# Altium PCB Board.PcbDoc (part 8 of 15) (continued)
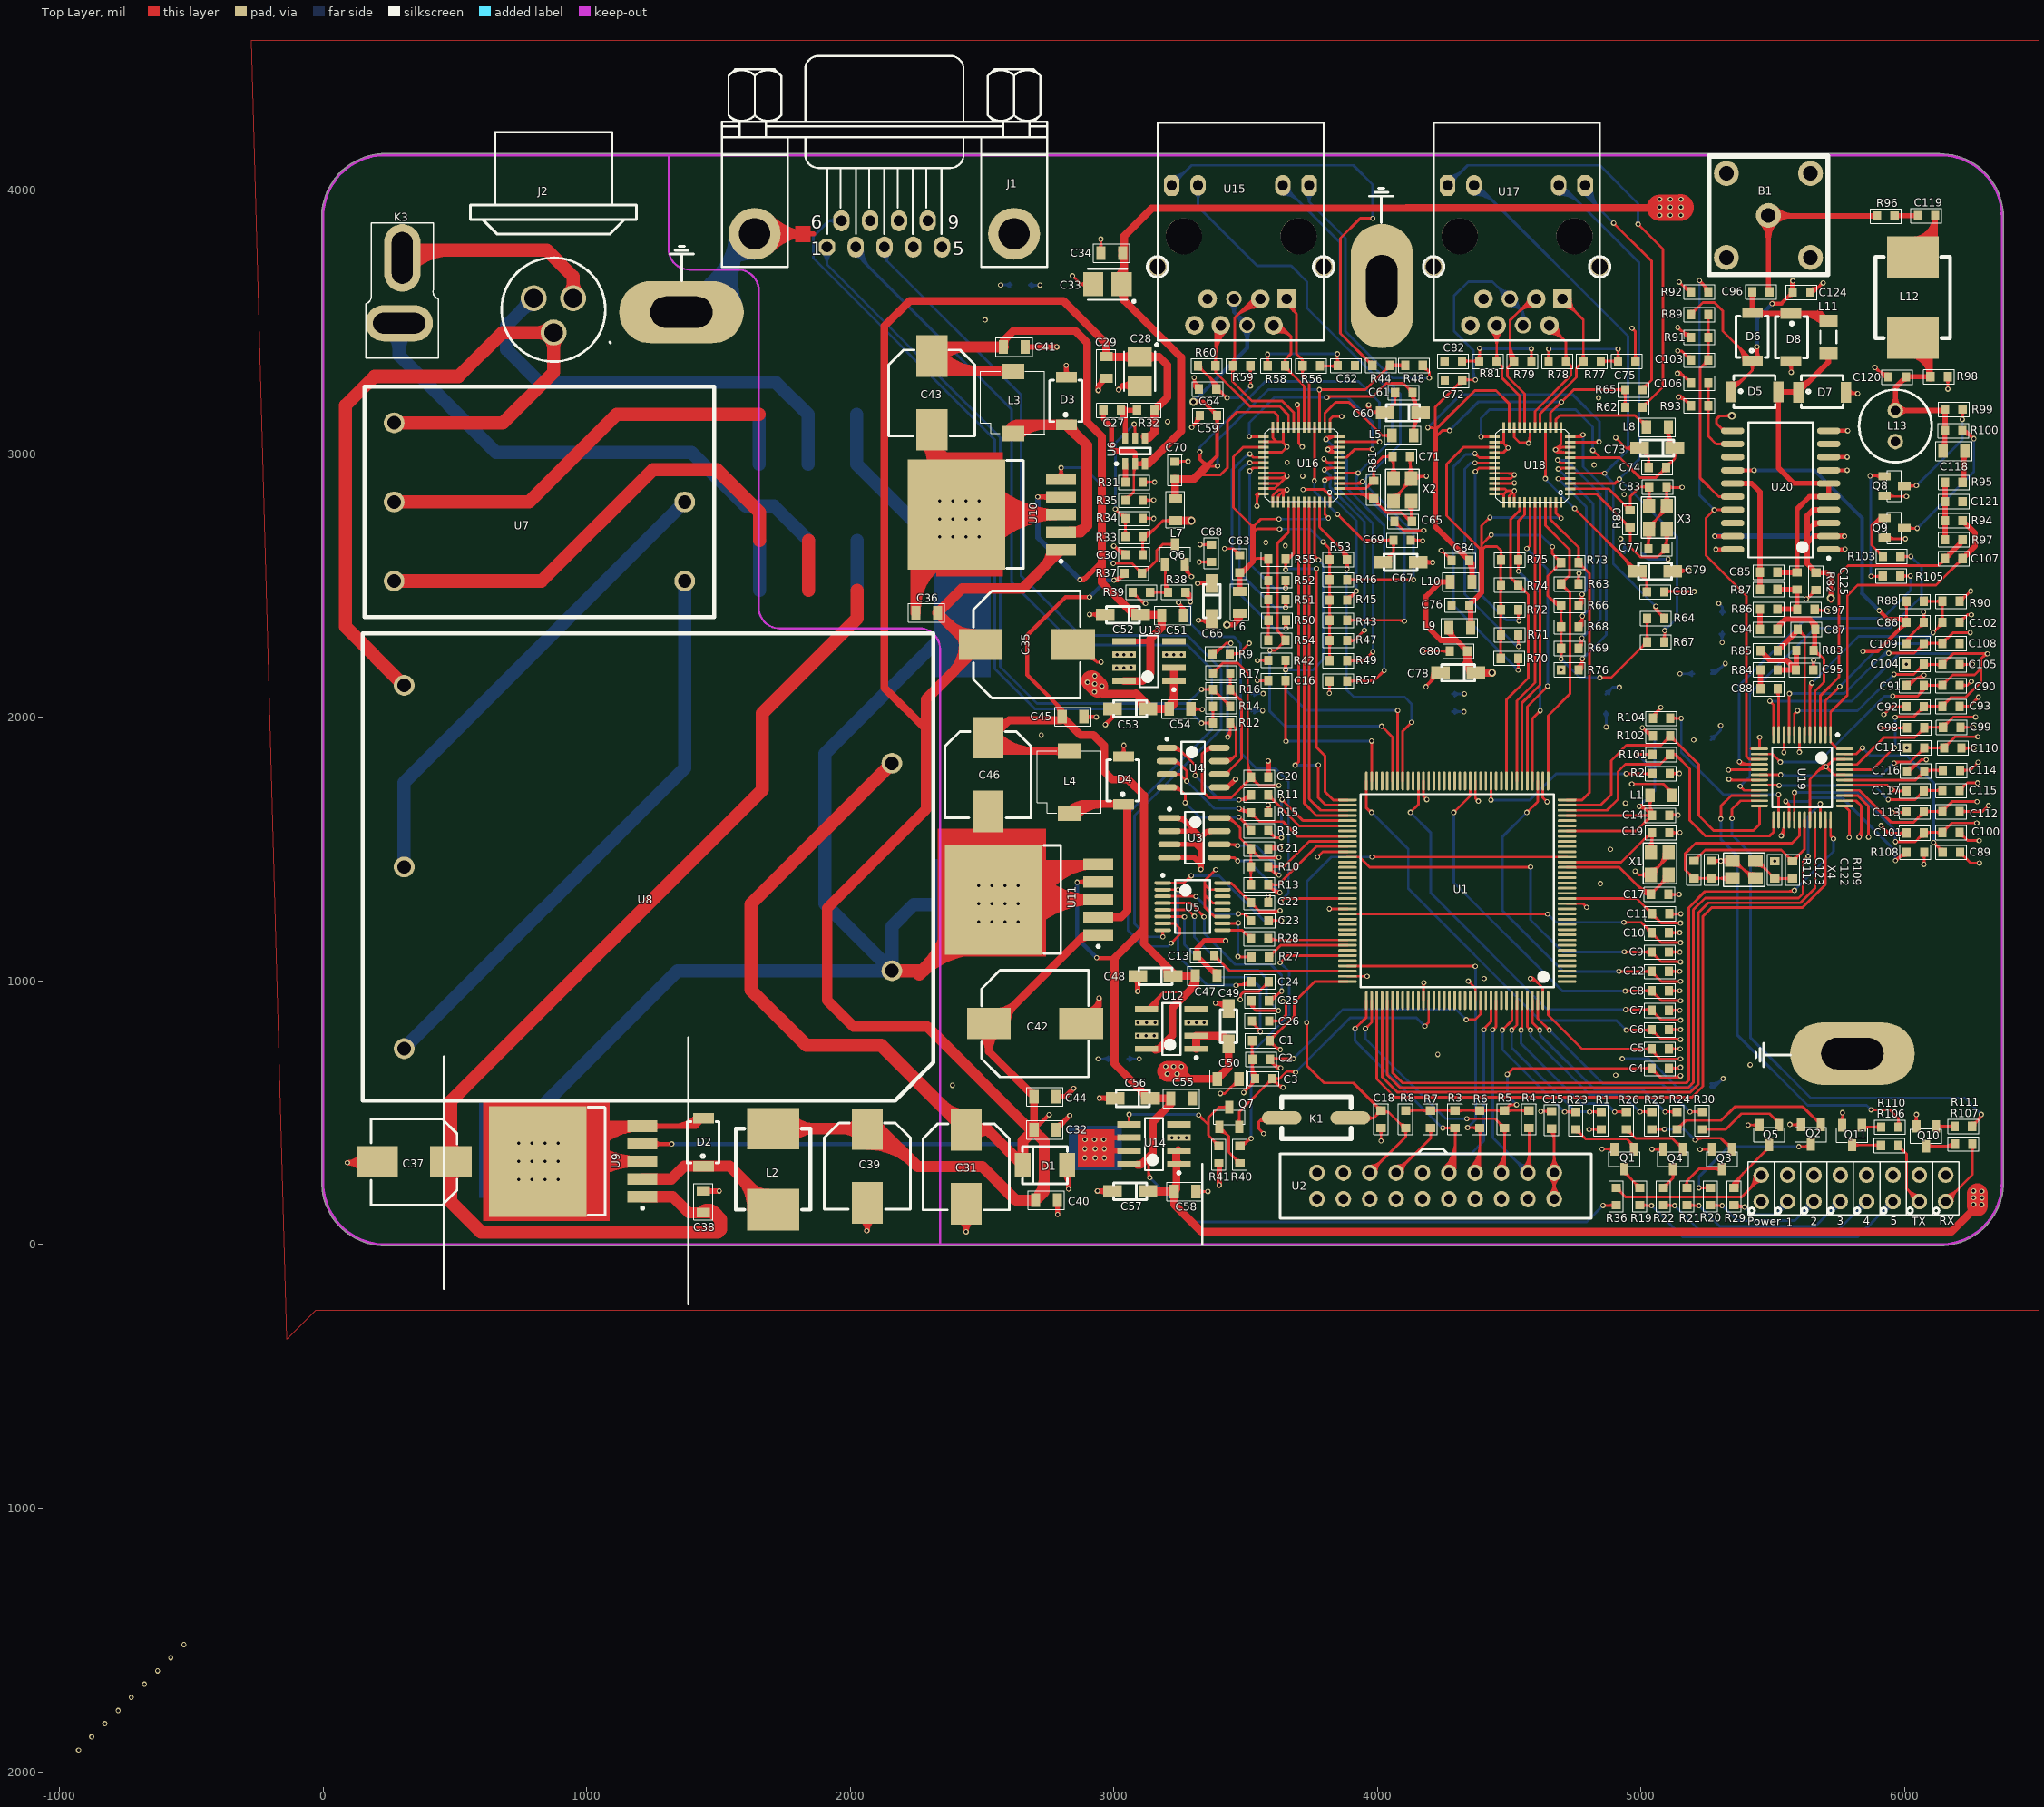
[diagram p0: Top Layer view]
## Nets (pads, with @x,y where several pads share a name; then routed paths per layer and width w, separated by ;. In a path a pad name is that pad's centre, name@x,y a point inside that pad or via, vN(x,y) a via of type N, cw(c..) or ccw(c..) an arc to the next point about the centre after c; other vN are vias at no path point) (continued)
  Bottom Layer w10: v1(5307.6,147.45) 5363.6,91.45 5583.6,91.45 2.2@5655.6,163.45 ; v1@5307.6,142.45 cw(c5307.6,130.38) 5316.13,138.91 ; v1@5307.6,142.45 cw(c5307.6,130.38) 5316.13,138.91 ; v1@5307.6,142.45 cw(c5307.6,130.38) 5316.13,138.91 ; v1@5312.6,147.45 ccw(c5324.67,147.45) 5316.13,138.91 ; v1@5312.6,147.45 ccw(c5324.67,147.45) 5316.13,138.91 ; v1@5312.6,147.45 ccw(c5324.67,147.45) 5316.13,138.91 ; 5613.73,121.58 cw(c5655.6,79.71) 2.2@5655.6,138.92 ; 5613.73,121.58 ccw(c5571.86,163.45) 2.2@5631.07,163.45 ; 5613.73,121.58 cw(c5655.6,79.71) 2.2@5655.6,138.92 ; 5613.73,121.58 ccw(c5571.86,163.45) 2.2@5631.07,163.45 ; 5613.73,121.58 ccw(c5571.86,163.45) 2.2@5631.07,163.45 ; 5613.73,121.58 cw(c5655.6,79.71) 2.2@5655.6,138.92 ; 5630.8,138.65 cw(c5655.6,113.85) 2.2@5655.6,148.92 ; 5630.8,138.65 ccw(c5606,163.45) 2.2@5641.07,163.45 ; 5630.8,138.65 cw(c5655.6,113.85) 2.2@5655.6,148.92 ; 5630.8,138.65 ccw(c5606,163.45) 2.2@5641.07,163.45 ; 5630.8,138.65 ccw(c5606,163.45) 2.2@5641.07,163.45 ; 5630.8,138.65 cw(c5655.6,113.85) 2.2@5655.6,148.92
NetLED3_2: 3.2 R21.2 | length 1334.2
  Top Layer w10: R21.2@5173.8,149.45 5175.8,147.45 v1(5219.6,147.45) ; R21.2@5183.37,141.85 cw(c5196.89,128.33) 5196.89,147.45 ; R21.2@5183.37,141.85 cw(c5196.89,128.33) 5196.89,147.45 ; R21.2@5183.37,141.85 cw(c5196.89,128.33) 5196.89,147.45 ; R21.2@5183.37,157.05 ccw(c5206.54,180.23) 5206.54,147.45 ; R21.2@5183.37,157.05 ccw(c5206.54,180.23) 5206.54,147.45 ; R21.2@5183.37,157.05 ccw(c5206.54,180.23) 5206.54,147.45 ; 5207.53,147.45 cw(c5207.53,135.38) v1@5216.06,143.91 ; 5207.53,147.45 ccw(c5207.53,159.52) v1@5216.06,150.98 ; 5207.53,147.45 cw(c5207.53,135.38) v1@5216.06,143.91 ; 5207.53,147.45 ccw(c5207.53,159.52) v1@5216.06,150.98 ; 5207.53,147.45 ccw(c5207.53,159.52) v1@5216.06,150.98 ; 5207.53,147.45 cw(c5207.53,135.38) v1@5216.06,143.91
  Bottom Layer w10: v1(5219.6,147.45) 5297.6,69.45 5661.6,69.45 3.2@5755.6,163.45 ; v1@5219.6,142.45 cw(c5219.6,130.38) 5228.13,138.91 ; v1@5219.6,142.45 cw(c5219.6,130.38) 5228.13,138.91 ; v1@5219.6,142.45 cw(c5219.6,130.38) 5228.13,138.91 ; v1@5224.6,147.45 ccw(c5236.67,147.45) 5228.13,138.91 ; v1@5224.6,147.45 ccw(c5236.67,147.45) 5228.13,138.91 ; v1@5224.6,147.45 ccw(c5236.67,147.45) 5228.13,138.91 ; 5713.73,121.58 cw(c5755.6,79.71) 3.2@5755.6,138.92 ; 5713.73,121.58 ccw(c5671.86,163.45) 3.2@5731.07,163.45 ; 5713.73,121.58 cw(c5755.6,79.71) 3.2@5755.6,138.92 ; 5713.73,121.58 ccw(c5671.86,163.45) 3.2@5731.07,163.45 ; 5713.73,121.58 ccw(c5671.86,163.45) 3.2@5731.07,163.45 ; 5713.73,121.58 cw(c5755.6,79.71) 3.2@5755.6,138.92 ; 5730.8,138.65 cw(c5755.6,113.85) 3.2@5755.6,148.92 ; 5730.8,138.65 ccw(c5706,163.45) 3.2@5741.07,163.45 ; 5730.8,138.65 cw(c5755.6,113.85) 3.2@5755.6,148.92 ; 5730.8,138.65 ccw(c5706,163.45) 3.2@5741.07,163.45 ; 5730.8,138.65 ccw(c5706,163.45) 3.2@5741.07,163.45 ; 5730.8,138.65 cw(c5755.6,113.85) 3.2@5755.6,148.92
NetLED4_2: 4.2 R22.2 | length 1540.2
  Top Layer w10: R22.2@5084.4,149.45 5086.4,147.45 v1(5127.6,147.45) ; R22.2@5093.97,141.85 cw(c5107.49,128.33) 5107.49,147.45 ; R22.2@5093.97,141.85 cw(c5107.49,128.33) 5107.49,147.45 ; R22.2@5093.97,141.85 cw(c5107.49,128.33) 5107.49,147.45 ; R22.2@5093.97,157.05 ccw(c5117.14,180.23) 5117.14,147.45 ; R22.2@5093.97,157.05 ccw(c5117.14,180.23) 5117.14,147.45 ; R22.2@5093.97,157.05 ccw(c5117.14,180.23) 5117.14,147.45 ; 5115.53,147.45 cw(c5115.53,135.38) v1@5124.06,143.91 ; 5115.53,147.45 ccw(c5115.53,159.52) v1@5124.06,150.98 ; 5115.53,147.45 cw(c5115.53,135.38) v1@5124.06,143.91 ; 5115.53,147.45 ccw(c5115.53,159.52) v1@5124.06,150.98 ; 5115.53,147.45 ccw(c5115.53,159.52) v1@5124.06,150.98 ; 5115.53,147.45 cw(c5115.53,135.38) v1@5124.06,143.91
  Bottom Layer w10: v1(5127.6,147.45) 5225.6,49.45 5741.6,49.45 4.2@5855.6,163.45 ; v1@5127.6,142.45 cw(c5127.6,130.38) 5136.13,138.91 ; v1@5127.6,142.45 cw(c5127.6,130.38) 5136.13,138.91 ; v1@5127.6,142.45 cw(c5127.6,130.38) 5136.13,138.91 ; v1@5132.6,147.45 ccw(c5144.67,147.45) 5136.13,138.91 ; v1@5132.6,147.45 ccw(c5144.67,147.45) 5136.13,138.91 ; v1@5132.6,147.45 ccw(c5144.67,147.45) 5136.13,138.91 ; 5813.73,121.58 cw(c5855.6,79.71) 4.2@5855.6,138.92 ; 5813.73,121.58 ccw(c5771.86,163.45) 4.2@5831.07,163.45 ; 5813.73,121.58 cw(c5855.6,79.71) 4.2@5855.6,138.92 ; 5813.73,121.58 ccw(c5771.86,163.45) 4.2@5831.07,163.45 ; 5813.73,121.58 ccw(c5771.86,163.45) 4.2@5831.07,163.45 ; 5813.73,121.58 cw(c5855.6,79.71) 4.2@5855.6,138.92 ; 5830.8,138.65 cw(c5855.6,113.85) 4.2@5855.6,148.92 ; 5830.8,138.65 ccw(c5806,163.45) 4.2@5841.07,163.45 ; 5830.8,138.65 cw(c5855.6,113.85) 4.2@5855.6,148.92 ; 5830.8,138.65 ccw(c5806,163.45) 4.2@5841.07,163.45 ; 5830.8,138.65 ccw(c5806,163.45) 4.2@5841.07,163.45 ; 5830.8,138.65 cw(c5855.6,113.85) 4.2@5855.6,148.92
NetLED5_2: 1.2 R29.2 | length 883.9
  Top Layer w10: R29.2@5352.6,149.45 5359.6,142.45 v1(5392.6,142.45) ; v1@5388.27,139.95 ccw(c5377.82,133.91) 5380.94,145.57 ccw(c5384.06,157.23) v1@5390.1,146.78 ; R29.2@5355.14,149.93 ccw(c5371.17,163.36) 5371.17,142.45 ; R29.2@5355.14,149.93 ccw(c5371.17,163.36) 5371.17,142.45 ; R29.2@5355.14,149.93 ccw(c5371.17,163.36) 5371.17,142.45 ; R29.2@5362.8,156.35 ccw(c5392.6,181.32) v1(5392.6,142.45) ; R29.2@5362.8,156.35 ccw(c5392.6,181.32) v1(5392.6,142.45) ; R29.2@5362.8,156.35 ccw(c5392.6,181.32) v1(5392.6,142.45) ; 5380.53,142.45 cw(c5380.53,130.38) v1@5389.06,138.91 ; 5380.53,142.45 ccw(c5380.53,154.52) v1@5389.06,145.98 ; 5380.53,142.45 cw(c5380.53,130.38) v1@5389.06,138.91 ; 5380.53,142.45 ccw(c5380.53,154.52) v1@5389.06,145.98 ; 5380.53,142.45 ccw(c5380.53,154.52) v1@5389.06,145.98 ; 5380.53,142.45 cw(c5380.53,130.38) v1@5389.06,138.91
  Bottom Layer w10: v1(5392.6,142.45) 5421.6,113.45 5512.6,113.45 ; 5528.38,129.23 ccw(c5497.49,160.11) 1.2@5541.09,162.61 ; 1.2@5531.11,162.04 cw(c5467.66,158.39) 5512.6,113.45 ; 1.2@5555.6,163.45 5555.6,156.45 5512.6,113.45 ; v1@5392.6,137.45 cw(c5392.6,125.38) 5401.13,133.91 ; v1@5392.6,137.45 cw(c5392.6,125.38) 5401.13,133.91 ; v1@5392.6,137.45 cw(c5392.6,125.38) 5401.13,133.91 ; v1@5397.6,142.45 ccw(c5409.67,142.45) 5401.13,133.91 ; v1@5397.6,142.45 ccw(c5409.67,142.45) 5401.13,133.91 ; v1@5397.6,142.45 ccw(c5409.67,142.45) 5401.13,133.91 ; 5525.68,126.53 cw(c5555.6,96.61) 1.2@5555.6,138.92 ; 5525.68,126.53 cw(c5555.6,96.61) 1.2@5555.6,138.92 ; 5525.68,126.53 cw(c5555.6,96.61) 1.2@5555.6,138.92 ; 5516.1,116.95 ccw(c5478.67,154.38) 5531.24,160.58 cw(c5478.67,154.38) 5516.1,116.95 ; 5530.69,131.54 ccw(c5504.77,157.46) 5541.17,161.75 cw(c5504.77,157.46) 5530.69,131.54
NetLED6_1: Power.1 R36.1 | length 1139.5
  Top Layer w10: R36.1@4905.6,215.45 4940.85,180.2 5381.35,180.2 5455.6,254.45 Power.1@5455.6,263.45 ; R36.1@4907.57,204.7 cw(c4907.57,183.51) 4922.55,198.49 ; R36.1@4907.57,204.7 cw(c4907.57,183.51) 4922.55,198.49 ; R36.1@4907.57,204.7 cw(c4907.57,183.51) 4922.55,198.49 ; R36.1@4918.31,215.45 ccw(c4949.02,215.45) 4927.31,193.74 ; R36.1@4918.31,215.45 ccw(c4949.02,215.45) 4927.31,193.74 ; R36.1@4918.31,215.45 ccw(c4949.02,215.45) 4927.31,193.74 ; 5407.36,206.21 ccw(c5350.13,263.45) Power.1@5431.07,263.45 ; 5407.36,206.21 ccw(c5350.13,263.45) Power.1@5431.07,263.45 ; 5407.36,206.21 ccw(c5350.13,263.45) Power.1@5431.07,263.45 ; 5424.43,223.28 ccw(c5384.27,263.45) Power.1@5441.07,263.45 ; 5424.43,223.28 ccw(c5384.27,263.45) Power.1@5441.07,263.45 ; 5424.43,223.28 ccw(c5384.27,263.45) Power.1@5441.07,263.45 ; 5429.09,227.94 cw(c5455.6,201.43) Power.1@5455.6,238.92 ; 5429.09,227.94 cw(c5455.6,201.43) Power.1@5455.6,238.92 ; 5429.09,227.94 cw(c5455.6,201.43) Power.1@5455.6,238.92
NetLED7_2: R106.2 TX.2 | length 811.7
  Top Layer w10: R106.2@5975.6,375.45 6006.6,344.45 6006.6,212.45 TX.2@6055.6,163.45 ; R106.2@5975.6,362.73 cw(c5975.6,332.03) 5997.31,353.74 ; R106.2@5975.6,362.73 cw(c5975.6,332.03) 5997.31,353.74 ; R106.2@5975.6,362.73 cw(c5975.6,332.03) 5997.31,353.74 ; R106.2@5986.35,373.48 ccw(c6007.54,373.48) 5992.55,358.49 ; R106.2@5986.35,373.48 ccw(c6007.54,373.48) 5992.55,358.49 ; R106.2@5986.35,373.48 ccw(c6007.54,373.48) 5992.55,358.49 ; 6013.73,205.32 cw(c5971.86,163.45) TX.2@6031.07,163.45 ; 6013.73,205.32 ccw(c6055.6,247.19) TX.2@6055.6,187.98 ; 6013.73,205.32 cw(c5971.86,163.45) TX.2@6031.07,163.45 ; 6013.73,205.32 ccw(c6055.6,247.19) TX.2@6055.6,187.98 ; 6013.73,205.32 ccw(c6055.6,247.19) TX.2@6055.6,187.98 ; 6013.73,205.32 cw(c5971.86,163.45) TX.2@6031.07,163.45 ; 6030.8,188.25 cw(c6006,163.45) TX.2@6041.07,163.45 ; 6030.8,188.25 ccw(c6055.6,213.05) TX.2@6055.6,177.98 ; 6030.8,188.25 cw(c6006,163.45) TX.2@6041.07,163.45 ; 6030.8,188.25 ccw(c6055.6,213.05) TX.2@6055.6,177.98 ; 6030.8,188.25 ccw(c6055.6,213.05) TX.2@6055.6,177.98 ; 6030.8,188.25 cw(c6006,163.45) TX.2@6041.07,163.45
NetLED8_2: R107.2 RX.2 | length 826.4
  Top Layer w10: RX.2@6155.6,163.45 6256.6,264.45 R107.2@6256.6,381.45 ; RX.2@6155.6,177.98 ccw(c6155.6,213.05) 6180.4,188.25 ; RX.2@6155.6,177.98 ccw(c6155.6,213.05) 6180.4,188.25 ; RX.2@6155.6,177.98 ccw(c6155.6,213.05) 6180.4,188.25 ; RX.2@6155.6,187.98 ccw(c6155.6,247.19) 6197.47,205.32 ; RX.2@6155.6,187.98 ccw(c6155.6,247.19) 6197.47,205.32 ; RX.2@6155.6,187.98 ccw(c6155.6,247.19) 6197.47,205.32 ; RX.2@6170.13,163.45 cw(c6205.2,163.45) 6180.4,188.25 ; RX.2@6170.13,163.45 cw(c6205.2,163.45) 6180.4,188.25 ; RX.2@6170.13,163.45 cw(c6205.2,163.45) 6180.4,188.25 ; RX.2@6180.13,163.45 cw(c6239.34,163.45) 6197.47,205.32 ; RX.2@6180.13,163.45 cw(c6239.34,163.45) 6197.47,205.32 ; RX.2@6180.13,163.45 cw(c6239.34,163.45) 6197.47,205.32 ; R107.2@6249,371.88 cw(c6230.65,353.53) 6256.6,353.53 ; R107.2@6249,371.88 cw(c6230.65,353.53) 6256.6,353.53 ; R107.2@6249,371.88 cw(c6230.65,353.53) 6256.6,353.53 ; 6256.6,353.53 cw(c6282.55,353.53) R107.2@6264.2,371.88 ; 6256.6,353.53 cw(c6282.55,353.53) R107.2@6264.2,371.88 ; 6256.6,353.53 cw(c6282.55,353.53) R107.2@6264.2,371.88
NetQ1_2: Q1.2 R23.1 | length 504.1
  Top Layer w10: R23.1@4752.6,437.45 4788.6,401.45 4945.6,401.45 4973.6,373.45 Q1.2@4973.6,361.45 ; R23.1@4754.57,426.7 cw(c4754.57,405.51) 4769.55,420.49 ; R23.1@4754.57,426.7 cw(c4754.57,405.51) 4769.55,420.49 ; R23.1@4754.57,426.7 cw(c4754.57,405.51) 4769.55,420.49 ; R23.1@4765.31,437.45 ccw(c4796.02,437.45) 4774.31,415.74 ; R23.1@4765.31,437.45 ccw(c4796.02,437.45) 4774.31,415.74 ; R23.1@4765.31,437.45 ccw(c4796.02,437.45) 4774.31,415.74 ; 4952.33,394.71 cw(c4926.94,369.32) Q1.2@4962.85,369.32 ; 4952.33,394.71 cw(c4926.94,369.32) Q1.2@4962.85,369.32 ; 4952.33,394.71 cw(c4926.94,369.32) Q1.2@4962.85,369.32 ; Q1.2@4962.29,384.75 ccw(c4973.6,396.06) Q1.2@4973.6,380.07 ; Q1.2@4962.29,384.75 ccw(c4973.6,396.06) Q1.2@4973.6,380.07 ; Q1.2@4962.29,384.75 ccw(c4973.6,396.06) Q1.2@4973.6,380.07
NetQ1_3: Q1.3 R19.1 | length 340.1
  Top Layer w10: Q1.3@4936.2,286.65 4936.2,274.25 R19.1@4995,215.45 ; Q1.3@4936.2,268.02 cw(c4936.2,252.99) Q1.3@4946.83,263.62 ; Q1.3@4936.2,268.02 cw(c4936.2,252.99) Q1.3@4946.83,263.62 ; Q1.3@4936.2,268.02 cw(c4936.2,252.99) Q1.3@4946.83,263.62 ; Q1.3@4946.94,278.77 ccw(c4983.81,278.77) 4957.74,252.71 ; Q1.3@4946.94,278.77 ccw(c4983.81,278.77) 4957.74,252.71 ; Q1.3@4946.94,278.77 ccw(c4983.81,278.77) 4957.74,252.71 ; 4973.29,237.16 cw(c4951.58,215.45) R19.1@4982.28,215.45 ; 4973.29,237.16 cw(c4951.58,215.45) R19.1@4982.28,215.45 ; 4973.29,237.16 cw(c4951.58,215.45) R19.1@4982.28,215.45 ; 4978.04,232.4 ccw(c4993.03,247.39) R19.1@4993.03,226.2 ; 4978.04,232.4 ccw(c4993.03,247.39) R19.1@4993.03,226.2 ; 4978.04,232.4 ccw(c4993.03,247.39) R19.1@4993.03,226.2
NetQ2_2: Q2.2 R24.1 | length 885.6
  Top Layer w10: R24.1@5136.6,437.45 5169.6,470.45 5303.6,470.45 5355.6,522.45 5613.6,522.45 Q2.2@5681.6,454.45 ; R24.1@5138.57,448.2 ccw(c5138.57,469.39) 5153.55,454.4 ; R24.1@5138.57,448.2 ccw(c5138.57,469.39) 5153.55,454.4 ; R24.1@5138.57,448.2 ccw(c5138.57,469.39) 5153.55,454.4 ; R24.1@5149.31,437.45 cw(c5180.02,437.45) 5158.31,459.16 ; R24.1@5149.31,437.45 cw(c5180.02,437.45) 5158.31,459.16 ; R24.1@5149.31,437.45 cw(c5180.02,437.45) 5158.31,459.16 ; 5649.81,486.24 ccw(c5681.6,518.03) Q2.2@5681.6,473.07 ; 5649.81,486.24 ccw(c5681.6,518.03) Q2.2@5681.6,473.07 ; 5649.81,486.24 ccw(c5681.6,518.03) Q2.2@5681.6,473.07 ; Q2.2@5666.88,469.17 ccw(c5681.6,483.89) Q2.2@5681.6,463.07 ; Q2.2@5666.88,469.17 ccw(c5681.6,483.89) Q2.2@5681.6,463.07 ; Q2.2@5666.88,469.17 ccw(c5681.6,483.89) Q2.2@5681.6,463.07
NetQ2_3: Q2.3 R20.1 | length 1032.9
  Top Layer w10: v1(5219.6,215.45) R20.1@5263.2,215.45 ; v1(5598.6,371.45) 5636,371.45 Q2.3@5644.2,379.65 ; v1@5223.13,211.91 cw(c5231.67,203.38) 5231.67,215.45 ; v1@5223.13,211.91 cw(c5231.67,203.38) 5231.67,215.45 ; v1@5223.13,211.91 cw(c5231.67,203.38) 5231.67,215.45 ; v1@5223.13,218.98 ccw(c5231.67,227.52) 5231.67,215.45 ; v1@5223.13,218.98 ccw(c5231.67,227.52) 5231.67,215.45 ; v1@5223.13,218.98 ccw(c5231.67,227.52) 5231.67,215.45 ; 5235.28,215.45 cw(c5235.28,189.5) R20.1@5253.63,207.85 ; 5235.28,215.45 ccw(c5235.28,241.4) R20.1@5253.63,223.05 ; 5235.28,215.45 cw(c5235.28,189.5) R20.1@5253.63,207.85 ; 5235.28,215.45 ccw(c5235.28,241.4) R20.1@5253.63,223.05 ; 5235.28,215.45 ccw(c5235.28,241.4) R20.1@5253.63,223.05 ; 5235.28,215.45 cw(c5235.28,189.5) R20.1@5253.63,207.85 ; v1@5602.13,367.91 cw(c5610.67,359.38) 5610.67,371.45 ; v1@5602.13,367.91 cw(c5610.67,359.38) 5610.67,371.45 ; v1@5602.13,367.91 cw(c5610.67,359.38) 5610.67,371.45 ; v1@5602.13,374.98 ccw(c5610.67,383.52) 5610.67,371.45 ; v1@5602.13,374.98 ccw(c5610.67,383.52) 5610.67,371.45 ; v1@5602.13,374.98 ccw(c5610.67,383.52) 5610.67,371.45 ; 5617.47,371.45 ccw(c5617.47,398.5) Q2.3@5636.6,379.37 ; 5617.47,371.45 ccw(c5617.47,398.5) Q2.3@5636.6,379.37 ; 5617.47,371.45 ccw(c5617.47,398.5) Q2.3@5636.6,379.37 ; 5619.03,371.45 cw(c5619.03,346.6) Q2.3@5636.6,364.17 ; 5619.03,371.45 cw(c5619.03,346.6) Q2.3@5636.6,364.17 ; 5619.03,371.45 cw(c5619.03,346.6) Q2.3@5636.6,364.17
  Bottom Layer w10: v1(5219.6,215.45) 5219.6,257.45 5333.6,371.45 v1(5598.6,371.45) ; v1@5216.06,218.98 ccw(c5207.53,227.52) 5219.6,227.52 ; v1@5216.06,218.98 ccw(c5207.53,227.52) 5219.6,227.52 ; v1@5216.06,218.98 ccw(c5207.53,227.52) 5219.6,227.52 ; 5219.6,227.52 ccw(c5231.67,227.52) v1@5223.13,218.98 ; 5219.6,227.52 ccw(c5231.67,227.52) v1@5223.13,218.98 ; 5219.6,227.52 ccw(c5231.67,227.52) v1@5223.13,218.98 ; 5586.53,371.45 cw(c5586.53,359.38) v1@5595.06,367.91 ; 5586.53,371.45 ccw(c5586.53,383.52) v1@5595.06,374.98 ; 5586.53,371.45 cw(c5586.53,359.38) v1@5595.06,367.91 ; 5586.53,371.45 ccw(c5586.53,383.52) v1@5595.06,374.98 ; 5586.53,371.45 ccw(c5586.53,383.52) v1@5595.06,374.98 ; 5586.53,371.45 cw(c5586.53,359.38) v1@5595.06,367.91
NetQ3_2: Q3.2 R25.1 | length 866
  Top Layer w10: R25.1@5040.6,437.45 v1(5088.6,437.45) ; v1@5209.6,403.45 5302.6,403.45 Q3.2@5344.6,361.45 ; R25.1@5050.17,429.85 cw(c5068.51,411.5) 5068.51,437.45 ; R25.1@5050.17,429.85 cw(c5068.51,411.5) 5068.51,437.45 ; R25.1@5050.17,429.85 cw(c5068.51,411.5) 5068.51,437.45 ; R25.1@5050.17,445.05 ccw(c5068.51,463.4) 5068.51,437.45 ; R25.1@5050.17,445.05 ccw(c5068.51,463.4) 5068.51,437.45 ; R25.1@5050.17,445.05 ccw(c5068.51,463.4) 5068.51,437.45 ; 5076.53,437.45 cw(c5076.53,425.38) v1@5085.06,433.91 ; 5076.53,437.45 ccw(c5076.53,449.52) v1@5085.06,440.98 ; 5076.53,437.45 cw(c5076.53,425.38) v1@5085.06,433.91 ; 5076.53,437.45 ccw(c5076.53,449.52) v1@5085.06,440.98 ; 5076.53,437.45 ccw(c5076.53,449.52) v1@5085.06,440.98 ; 5076.53,437.45 cw(c5076.53,425.38) v1@5085.06,433.91 ; v1@5208.13,392.91 cw(c5233.57,367.48) 5233.57,403.45 ; v1@5208.13,392.91 cw(c5233.57,367.48) 5233.57,403.45 ; v1@5208.13,392.91 cw(c5233.57,367.48) 5233.57,403.45 ; 5312.81,393.24 ccw(c5344.6,425.03) Q3.2@5344.6,380.07 ; 5312.81,393.24 ccw(c5344.6,425.03) Q3.2@5344.6,380.07 ; 5312.81,393.24 ccw(c5344.6,425.03) Q3.2@5344.6,380.07 ; Q3.2@5329.88,376.17 ccw(c5344.6,390.89) Q3.2@5344.6,370.07 ; Q3.2@5329.88,376.17 ccw(c5344.6,390.89) Q3.2@5344.6,370.07 ; Q3.2@5329.88,376.17 ccw(c5344.6,390.89) Q3.2@5344.6,370.07
  Bottom Layer w10: v1(5088.6,437.45) 5163.6,437.45 v1(5204.6,396.45) ; v1@5092.13,433.91 cw(c5100.67,425.38) 5100.67,437.45 ; v1@5092.13,433.91 cw(c5100.67,425.38) 5100.67,437.45 ; v1@5092.13,433.91 cw(c5100.67,425.38) 5100.67,437.45 ; v1@5092.13,440.98 ccw(c5100.67,449.52) 5100.67,437.45 ; v1@5092.13,440.98 ccw(c5100.67,449.52) 5100.67,437.45 ; v1@5092.13,440.98 ccw(c5100.67,449.52) 5100.67,437.45 ; 5196.06,404.98 cw(c5187.53,396.45) v1@5199.6,396.45 ; 5196.06,404.98 ccw(c5204.6,413.52) v1@5204.6,401.45 ; 5196.06,404.98 cw(c5187.53,396.45) v1@5199.6,396.45 ; 5196.06,404.98 ccw(c5204.6,413.52) v1@5204.6,401.45 ; 5196.06,404.98 ccw(c5204.6,413.52) v1@5204.6,401.45 ; 5196.06,404.98 cw(c5187.53,396.45) v1@5199.6,396.45
NetQ3_3: Q3.3 R21.1 | length 422.8
  Top Layer w10: R21.1@5173.8,215.45 5173.8,241.65 5218.8,286.65 Q3.3@5307.2,286.65 ; R21.1@5166.2,223.05 ccw(c5147.85,241.4) 5173.8,241.4 ; R21.1@5166.2,223.05 ccw(c5147.85,241.4) 5173.8,241.4 ; R21.1@5166.2,223.05 ccw(c5147.85,241.4) 5173.8,241.4 ; 5173.8,241.4 ccw(c5199.75,241.4) R21.1@5181.4,223.05 ; 5173.8,241.4 ccw(c5199.75,241.4) R21.1@5181.4,223.05 ; 5173.8,241.4 ccw(c5199.75,241.4) R21.1@5181.4,223.05 ; 5281.25,286.65 cw(c5281.25,260.7) Q3.3@5299.6,279.05 ; 5281.25,286.65 ccw(c5281.25,312.59) Q3.3@5299.6,294.25 ; 5281.25,286.65 cw(c5281.25,260.7) Q3.3@5299.6,279.05 ; 5281.25,286.65 ccw(c5281.25,312.59) Q3.3@5299.6,294.25 ; 5281.25,286.65 ccw(c5281.25,312.59) Q3.3@5299.6,294.25 ; 5281.25,286.65 cw(c5281.25,260.7) Q3.3@5299.6,279.05
NetQ4_2: Q4.2 R26.1 | length 523.2
  Top Layer w10: R26.1@4944.6,437.45 4979.6,402.45 5118.1,402.45 Q4.2@5159.1,361.45 ; R26.1@4946.57,426.7 cw(c4946.57,405.51) 4961.55,420.49 ; R26.1@4946.57,426.7 cw(c4946.57,405.51) 4961.55,420.49 ; R26.1@4946.57,426.7 cw(c4946.57,405.51) 4961.55,420.49 ; R26.1@4957.31,437.45 ccw(c4988.02,437.45) 4966.31,415.74 ; R26.1@4957.31,437.45 ccw(c4988.02,437.45) 4966.31,415.74 ; R26.1@4957.31,437.45 ccw(c4988.02,437.45) 4966.31,415.74 ; 5127.31,393.24 ccw(c5159.1,425.03) Q4.2@5159.1,380.07 ; 5127.31,393.24 ccw(c5159.1,425.03) Q4.2@5159.1,380.07 ; 5127.31,393.24 ccw(c5159.1,425.03) Q4.2@5159.1,380.07 ; Q4.2@5144.38,376.17 ccw(c5159.1,390.89) Q4.2@5159.1,370.07 ; Q4.2@5144.38,376.17 ccw(c5159.1,390.89) Q4.2@5159.1,370.07 ; Q4.2@5144.38,376.17 ccw(c5159.1,390.89) Q4.2@5159.1,370.07
NetQ4_3: Q4.3 R22.1 | length 331.2
  Top Layer w10: R22.1@5084.4,215.45 5121.7,252.75 Q4.3@5121.7,286.65 ; R22.1@5086.37,226.2 ccw(c5086.37,247.39) 5101.35,232.4 ; R22.1@5086.37,226.2 ccw(c5086.37,247.39) 5101.35,232.4 ; R22.1@5086.37,226.2 ccw(c5086.37,247.39) 5101.35,232.4 ; R22.1@5097.11,215.45 cw(c5127.82,215.45) 5106.11,237.16 ; R22.1@5097.11,215.45 cw(c5127.82,215.45) 5106.11,237.16 ; R22.1@5097.11,215.45 cw(c5127.82,215.45) 5106.11,237.16 ; Q4.3@5114.1,271.17 cw(c5095.75,252.82) 5121.7,252.82 ; Q4.3@5114.1,271.17 cw(c5095.75,252.82) 5121.7,252.82 ; Q4.3@5114.1,271.17 cw(c5095.75,252.82) 5121.7,252.82 ; 5121.7,252.82 cw(c5147.64,252.82) Q4.3@5129.3,271.17 ; 5121.7,252.82 cw(c5147.64,252.82) Q4.3@5129.3,271.17 ; 5121.7,252.82 cw(c5147.64,252.82) Q4.3@5129.3,271.17
NetQ5_2: Q5.2 R30.1 | length 590.9
  Top Layer w10: R30.1@5232.6,437.45 5321.6,437.45 5380.6,496.45 5487.6,496.45 5523.6,460.45 Q5.2@5523.6,444.45 ; R30.1@5242.17,429.85 cw(c5260.51,411.5) 5260.51,437.45 ; R30.1@5242.17,429.85 cw(c5260.51,411.5) 5260.51,437.45 ; R30.1@5242.17,429.85 cw(c5260.51,411.5) 5260.51,437.45 ; R30.1@5242.17,445.05 ccw(c5260.51,463.4) 5260.51,437.45 ; R30.1@5242.17,445.05 ccw(c5260.51,463.4) 5260.51,437.45 ; R30.1@5242.17,445.05 ccw(c5260.51,463.4) 5260.51,437.45 ; 5503.76,480.29 ccw(c5523.6,500.13) Q5.2@5523.6,472.07 ; 5503.76,480.29 ccw(c5523.6,500.13) Q5.2@5523.6,472.07 ; 5503.76,480.29 ccw(c5523.6,500.13) Q5.2@5523.6,472.07 ; 5505.87,478.18 cw(c5489.01,461.32) Q5.2@5512.85,461.32 ; 5505.87,478.18 cw(c5489.01,461.32) Q5.2@5512.85,461.32 ; 5505.87,478.18 cw(c5489.01,461.32) Q5.2@5512.85,461.32
NetQ5_3: Q5.3 R29.1 | length 812.6
  Top Layer w10: R29.1@5352.6,215.45 5352.6,236.05 ; Q5.3@5486.2,369.65 5352.6,236.05 ; R29.1@5345.31,215.45 cw(c5377.46,215.45) 5354.73,238.18 ; R29.1@5345.31,215.45 cw(c5377.46,215.45) 5354.73,238.18 ; R29.1@5345.31,215.45 cw(c5377.46,215.45) 5354.73,238.18 ; R29.1@5346.45,224.27 ccw(c5338.24,236.05) 5352.6,236.05 ; R29.1@5346.45,224.27 ccw(c5338.24,236.05) 5352.6,236.05 ; R29.1@5346.45,224.27 ccw(c5338.24,236.05) 5352.6,236.05 ; 5352.6,236.05 ccw(c5366.96,236.05) R29.1@5358.75,224.27 ; 5352.6,236.05 ccw(c5366.96,236.05) R29.1@5358.75,224.27 ; 5352.6,236.05 ccw(c5366.96,236.05) R29.1@5358.75,224.27 ; R29.1@5355.31,215.45 cw(c5411.6,215.45) 5371.8,255.25 ; R29.1@5355.31,215.45 cw(c5411.6,215.45) 5371.8,255.25 ; R29.1@5355.31,215.45 cw(c5411.6,215.45) 5371.8,255.25 ; R29.1@5365.31,215.45 cw(c5445.74,215.45) 5388.87,272.32 ; R29.1@5365.31,215.45 cw(c5445.74,215.45) 5388.87,272.32 ; R29.1@5365.31,215.45 cw(c5445.74,215.45) 5388.87,272.32 ; 5467.05,350.5 ccw(c5446.78,370.77) Q5.3@5475.45,370.77 ; 5467.05,350.5 ccw(c5446.78,370.77) Q5.3@5475.45,370.77 ; 5467.05,350.5 ccw(c5446.78,370.77) Q5.3@5475.45,370.77 ; 5469.77,353.22 cw(c5486.2,336.79) Q5.3@5486.2,360.02 ; 5469.77,353.22 cw(c5486.2,336.79) Q5.3@5486.2,360.02 ; 5469.77,353.22 cw(c5486.2,336.79) Q5.3@5486.2,360.02
NetQ6_2: Q6.2 R38.1 R39.2 | length 788.8
  Top Layer w10: R39.2@3137.6,2474.45 R38.1@3205.6,2474.45 3194.6,2485.45 Q6.2@3194.6,2581.45 ; R39.2@3145.2,2466.85 cw(c3163.55,2448.5) 3163.55,2474.45 ; R39.2@3145.2,2466.85 cw(c3163.55,2448.5) 3163.55,2474.45 ; R39.2@3145.2,2466.85 cw(c3163.55,2448.5) 3163.55,2474.45 ; R39.2@3145.2,2482.05 ccw(c3163.55,2500.4) 3163.55,2474.45 ; R39.2@3145.2,2482.05 ccw(c3163.55,2500.4) 3163.55,2474.45 ; R39.2@3145.2,2482.05 ccw(c3163.55,2500.4) 3163.55,2474.45 ; 3179.65,2474.45 cw(c3179.65,2448.5) R38.1@3198,2466.85 ; 3179.65,2474.45 ccw(c3179.65,2500.4) R38.1@3198,2482.05 ; 3179.65,2474.45 cw(c3179.65,2448.5) R38.1@3198,2466.85 ; 3179.65,2474.45 ccw(c3179.65,2500.4) R38.1@3198,2482.05 ; 3179.65,2474.45 ccw(c3179.65,2500.4) R38.1@3198,2482.05 ; 3179.65,2474.45 cw(c3179.65,2448.5) R38.1@3198,2466.85 ; Q6.2@3187,2565.97 cw(c3168.65,2547.63) 3194.6,2547.63 ; Q6.2@3187,2565.97 cw(c3168.65,2547.63) 3194.6,2547.63 ; Q6.2@3187,2565.97 cw(c3168.65,2547.63) 3194.6,2547.63 ; 3194.6,2504.78 ccw(c3233.96,2504.78) R38.1@3206.13,2476.95 ; 3194.6,2504.78 ccw(c3233.96,2504.78) R38.1@3206.13,2476.95 ; 3194.6,2504.78 ccw(c3233.96,2504.78) R38.1@3206.13,2476.95 ; 3194.6,2528.92 ccw(c3258.1,2528.92) R38.1@3213.2,2484.02 ; 3194.6,2528.92 ccw(c3258.1,2528.92) R38.1@3213.2,2484.02 ; 3194.6,2528.92 ccw(c3258.1,2528.92) R38.1@3213.2,2484.02 ; 3194.6,2547.63 cw(c3220.55,2547.63) Q6.2@3202.2,2565.97 ; 3194.6,2547.63 cw(c3220.55,2547.63) Q6.2@3202.2,2565.97 ; 3194.6,2547.63 cw(c3220.55,2547.63) Q6.2@3202.2,2565.97
NetQ6_3: Q6.3 R37.2 U10.5 | length 1712.3
  Top Layer w10: v1@2795.27,2944.95 cw(c2781.69,2937.11) 2796.83,2933.05 ; U10.5@2799.6,2903.17 v1(2799.6,2947.45) ; 2802.36,2933.05 cw(c2817.5,2937.11) v1@2803.93,2944.95 ; v1(2997.6,2584.45) 3068.6,2584.45 R37.2@3106.6,2546.45 3113.6,2546.45 3162.6,2595.45 3162.6,2633.45 3185.4,2656.25 Q6.3@3232,2656.25 ; U10.5@2787.82,2914.94 ccw(c2759.39,2943.37) v1@2799.6,2943.37 ; U10.5@2787.82,2914.94 ccw(c2759.39,2943.37) v1@2799.6,2943.37 ; U10.5@2787.82,2914.94 ccw(c2759.39,2943.37) v1@2799.6,2943.37 ; v1@2796.06,2943.91 cw(c2787.53,2935.38) 2799.6,2935.38 ; v1@2796.06,2943.91 cw(c2787.53,2935.38) 2799.6,2935.38 ; v1@2796.06,2943.91 cw(c2787.53,2935.38) 2799.6,2935.38 ; 2799.6,2935.38 cw(c2811.67,2935.38) v1@2803.13,2943.91 ; 2799.6,2935.38 cw(c2811.67,2935.38) v1@2803.13,2943.91 ; 2799.6,2935.38 cw(c2811.67,2935.38) v1@2803.13,2943.91 ; v1@2799.6,2943.37 ccw(c2839.8,2943.37) U10.5@2811.37,2914.94 ; v1@2799.6,2943.37 ccw(c2839.8,2943.37) U10.5@2811.37,2914.94 ; v1@2799.6,2943.37 ccw(c2839.8,2943.37) U10.5@2811.37,2914.94 ; v1@3001.13,2580.91 cw(c3009.67,2572.38) 3009.67,2584.45 ; v1@3001.13,2580.91 cw(c3009.67,2572.38) 3009.67,2584.45 ; v1@3001.13,2580.91 cw(c3009.67,2572.38) 3009.67,2584.45 ; v1@3001.13,2587.98 ccw(c3009.67,2596.52) 3009.67,2584.45 ; v1@3001.13,2587.98 ccw(c3009.67,2596.52) 3009.67,2584.45 ; v1@3001.13,2587.98 ccw(c3009.67,2596.52) 3009.67,2584.45 ; 3084.89,2568.16 ccw(c3106.6,2589.87) R37.2@3106.6,2559.17 ; 3084.89,2568.16 ccw(c3106.6,2589.87) R37.2@3106.6,2559.17 ; 3084.89,2568.16 ccw(c3106.6,2589.87) R37.2@3106.6,2559.17 ; 3089.64,2563.4 cw(c3074.65,2548.42) R37.2@3095.85,2548.42 ; 3089.64,2563.4 cw(c3074.65,2548.42) R37.2@3095.85,2548.42 ; 3089.64,2563.4 cw(c3074.65,2548.42) R37.2@3095.85,2548.42 ; R37.2@3106.6,2549.17 ccw(c3106.6,2572.62) 3123.19,2556.04 ; R37.2@3106.6,2549.17 ccw(c3106.6,2572.62) 3123.19,2556.04 ; R37.2@3106.6,2549.17 ccw(c3106.6,2572.62) 3123.19,2556.04 ; R37.2@3106.6,2559.17 ccw(c3106.6,2606.77) 3140.26,2573.11 ; R37.2@3106.6,2559.17 ccw(c3106.6,2606.77) 3140.26,2573.11 ; R37.2@3106.6,2559.17 ccw(c3106.6,2606.77) 3140.26,2573.11 ; 3206.05,2656.25 cw(c3206.05,2630.3) Q6.3@3224.4,2648.65 ; 3206.05,2656.25 ccw(c3206.05,2682.2) Q6.3@3224.4,2663.85 ; 3206.05,2656.25 cw(c3206.05,2630.3) Q6.3@3224.4,2648.65 ; 3206.05,2656.25 ccw(c3206.05,2682.2) Q6.3@3224.4,2663.85 ; 3206.05,2656.25 ccw(c3206.05,2682.2) Q6.3@3224.4,2663.85 ; 3206.05,2656.25 cw(c3206.05,2630.3) Q6.3@3224.4,2648.65
  Bottom Layer w10: v1(2799.6,2947.45) 2887.6,2947.45 2964.6,2870.45 2964.6,2617.45 v1(2997.6,2584.45) ; v1@2803.13,2943.91 cw(c2811.67,2935.38) 2811.67,2947.45 ; v1@2803.13,2943.91 cw(c2811.67,2935.38) 2811.67,2947.45 ; v1@2803.13,2943.91 cw(c2811.67,2935.38) 2811.67,2947.45 ; v1@2803.13,2950.98 ccw(c2811.67,2959.52) 2811.67,2947.45 ; v1@2803.13,2950.98 ccw(c2811.67,2959.52) 2811.67,2947.45 ; v1@2803.13,2950.98 ccw(c2811.67,2959.52) 2811.67,2947.45 ; 2989.06,2592.98 cw(c2980.53,2584.45) v1@2992.6,2584.45 ; 2989.06,2592.98 ccw(c2997.6,2601.52) v1@2997.6,2589.45 ; 2989.06,2592.98 cw(c2980.53,2584.45) v1@2992.6,2584.45 ; 2989.06,2592.98 ccw(c2997.6,2601.52) v1@2997.6,2589.45 ; 2989.06,2592.98 ccw(c2997.6,2601.52) v1@2997.6,2589.45 ; 2989.06,2592.98 cw(c2980.53,2584.45) v1@2992.6,2584.45
NetQ7_2: Q7.2 R40.1 | length 447.6
  Top Layer w10: Q7.2@3400.6,446.45 3436.6,410.45 3436.6,350.45 R40.1@3478.6,308.45 ; Q7.2@3400.6,427.83 cw(c3400.6,382.87) 3432.39,414.66 ; Q7.2@3400.6,427.83 cw(c3400.6,382.87) 3432.39,414.66 ; Q7.2@3400.6,427.83 cw(c3400.6,382.87) 3432.39,414.66 ; Q7.2@3400.6,437.83 cw(c3400.6,417.01) Q7.2@3415.32,431.73 ; Q7.2@3400.6,437.83 cw(c3400.6,417.01) Q7.2@3415.32,431.73 ; Q7.2@3400.6,437.83 cw(c3400.6,417.01) Q7.2@3415.32,431.73 ; 3456.89,330.16 cw(c3435.18,308.45) R40.1@3465.88,308.45 ; 3456.89,330.16 cw(c3435.18,308.45) R40.1@3465.88,308.45 ; 3456.89,330.16 cw(c3435.18,308.45) R40.1@3465.88,308.45 ; 3461.64,325.4 ccw(c3476.63,340.39) R40.1@3476.63,319.2 ; 3461.64,325.4 ccw(c3476.63,340.39) R40.1@3476.63,319.2 ; 3461.64,325.4 ccw(c3476.63,340.39) R40.1@3476.63,319.2